# KiCad board SevenSegment.kicad_pcb (continued)
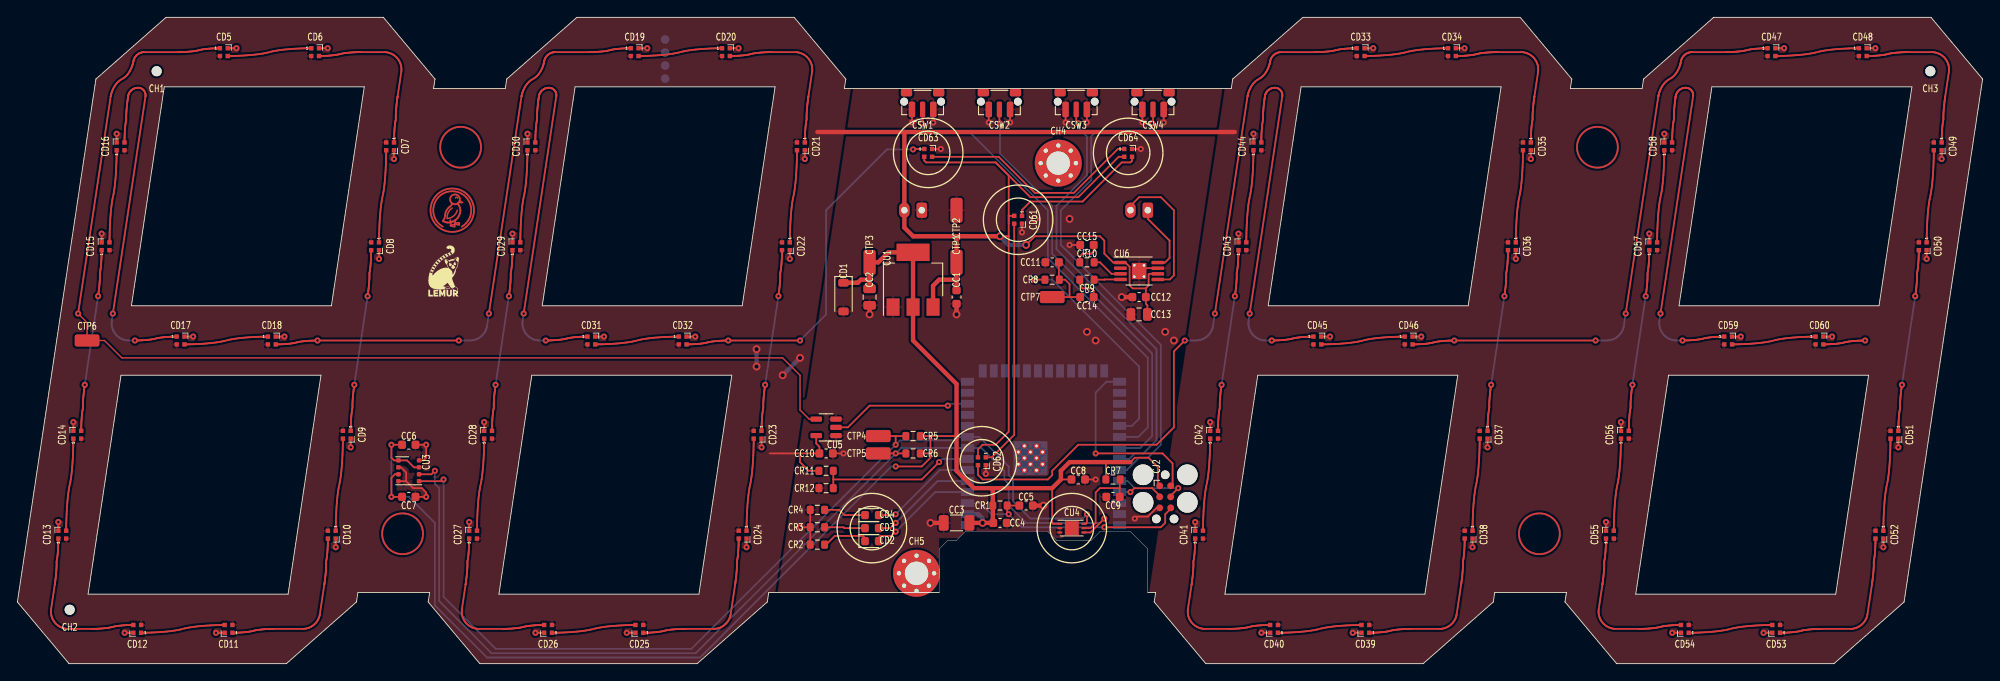
[diagram p0: board, top side]
## Routing (per net, layer and track width the routed paths; a pad name or vN(x,y) marks a point on that pad's centre or on a via; arc(x,y) is an arc through that point) (continued)
digit[2].led[5].dout: length 19.5
  Top w0.2: 166.46,14.27 166.46,14.15 166.46,14.08 166.46,14 166.45,13.91 166.45,13.82 166.45,13.73 166.45,13.63 166.44,13.52 166.44,13.41 166.43,13.19 166.42,13.07 166.41,12.95 166.39,12.72 166.38,12.6 166.37,12.49 166.36,12.37 166.34,12.26 166.33,12.15 166.31,12.04 166.3,11.94 166.28,11.84 166.26,11.75 166.26,11.66 166.26,11.56 166.26,11.45 166.26,11.34 166.26,11.23 166.25,11.12 166.25,11.01 166.24,10.89 166.24,10.77 166.22,10.54 166.21,10.42 166.2,10.3 166.19,10.19 166.17,10.08 166.16,9.97 166.15,9.87 166.14,9.77 166.13,9.67 166.12,9.58 166.11,9.5 166.09,9.42 166.09,9.35 166.08,9.29 166.07,9.23 166.06,9.19 166.06,9.15 166.05,9.12 166.05,9.1 165.54,5.7 165.52,5.61 165.5,5.51 165.48,5.42 165.45,5.33 165.41,5.24 165.37,5.15 165.33,5.07 165.28,4.98 165.24,4.9 165.18,4.83 165.13,4.75 165.07,4.68 165,4.61 164.94,4.55 164.87,4.48 164.8,4.42 164.72,4.37 164.64,4.32 164.56,4.27 164.48,4.22 164.4,4.18 164.31,4.15 164.22,4.11 164.13,4.08 164.04,4.06 163.95,4.04 163.86,4.02 163.76,4.01 163.66,4 163.56,4 160.24,4 160.21,4 160.16,4 160.06,4 159.99,4 159.92,3.99 159.84,3.99 159.76,3.99 159.68,3.99 159.58,3.98 159.49,3.98 159.39,3.97 159.29,3.97 159.19,3.96 158.98,3.94 158.76,3.92 158.66,3.91 158.55,3.9 158.45,3.88 158.35,3.87 158.25,3.85 158.15,3.84 158.06,3.82 157.97,3.8 157.8,3.75 157.71,3.73 157.62,3.71 157.52,3.7 157.42,3.68 157.32,3.66 157.22,3.65 157.11,3.64 157.01,3.63 156.9,3.62 156.79,3.61 156.58,3.59 156.48,3.58 156.38,3.58 156.28,3.57 156.19,3.57 156.09,3.56 156.01,3.56 155.93,3.56 155.85,3.56 155.78,3.55 155.66,3.55 155.61,3.55
digit[2].led[6].dout: length 9.5
  Top w0.2: 154.5,4.45 154.43,4.45 154.34,4.45 154.24,4.45 154.13,4.44 154,4.44 153.86,4.44 153.7,4.43 153.54,4.43 153.37,4.42 153.18,4.41 152.99,4.4 152.8,4.39 152.59,4.38 152.39,4.37 152.18,4.35 151.97,4.34 151.75,4.32 151.54,4.3 151.33,4.27 151.12,4.25 150.91,4.22 150.71,4.19 150.51,4.16 150.32,4.12 150.13,4.08 149.95,4.04 149.62,3.96 149.44,3.92 149.25,3.88 149.06,3.84 148.86,3.81 148.66,3.78 148.45,3.75 148.24,3.73 148.03,3.7 147.81,3.68 147.6,3.66 147.39,3.65 147.18,3.63 146.97,3.62 146.77,3.61 146.58,3.6 146.39,3.59 146.2,3.58 146.03,3.57 145.87,3.57 145.71,3.56 145.57,3.56 145.44,3.56 145.33,3.55 145.23,3.55 145.14,3.55 145.07,3.55
digit[2].led[7].dout: length 18.9
  Top w0.2: 135.46,14.27 135.46,14.15 135.46,14.08 135.46,14 135.46,13.91 135.45,13.82 135.45,13.73 135.45,13.63 135.44,13.52 135.44,13.41 135.43,13.19 135.42,13.07 135.41,12.95 135.39,12.72 135.38,12.6 135.37,12.49 135.36,12.37 135.34,12.26 135.33,12.15 135.31,12.04 135.3,11.94 135.28,11.84 135.26,11.75 135.26,11.66 135.26,11.56 135.26,11.45 135.26,11.34 135.26,11.23 135.25,11.12 135.25,11.01 135.24,10.89 135.24,10.77 135.22,10.54 135.21,10.42 135.2,10.3 135.19,10.19 135.17,10.08 135.16,9.97 135.15,9.87 135.14,9.77 135.13,9.67 135.12,9.58 135.1,9.5 135.09,9.42 135.09,9.35 135.08,9.29 135.07,9.23 135.06,9.19 135.06,9.15 135.05,9.1 134.63,6.3 134.62,6.18 134.61,6.06 134.61,5.94 134.62,5.82 134.63,5.71 134.65,5.59 134.68,5.48 134.71,5.37 134.75,5.27 134.79,5.16 134.84,5.06 134.9,4.97 134.96,4.87 135.02,4.78 135.09,4.69 135.17,4.61 135.25,4.53 135.33,4.46 135.42,4.39 135.51,4.33 135.61,4.27 135.71,4.21 135.81,4.16 135.91,4.12 136.02,4.09 136.14,4.06 136.25,4.03 136.37,4.01 136.49,4 136.61,4 139.33,4 139.36,4 139.41,4 139.51,4 139.58,4 139.65,4.01 139.73,4.01 139.81,4.01 139.9,4.01 139.99,4.02 140.08,4.02 140.18,4.03 140.28,4.03 140.38,4.04 140.59,4.06 140.81,4.08 140.91,4.09 141.02,4.1 141.12,4.11 141.22,4.13 141.32,4.15 141.42,4.16 141.51,4.18 141.6,4.2 141.77,4.25 141.86,4.27 141.95,4.29 142.05,4.3 142.15,4.32 142.25,4.33 142.35,4.35 142.46,4.36 142.56,4.37 142.67,4.38 142.78,4.39 142.99,4.41 143.09,4.42 143.19,4.42 143.29,4.43 143.38,4.43 143.47,4.44 143.56,4.44 143.64,4.44 143.72,4.44 143.79,4.45 143.91,4.45 143.96,4.45
digit[2].led[8].dout: length 10.4
  Top w0.2: 137.19,25.8 137.19,25.73 137.19,25.63 137.18,25.52 137.18,25.39 137.18,25.25 137.18,25.1 137.17,24.93 137.17,24.74 137.16,24.55 137.15,24.35 137.15,24.14 137.14,23.93 137.12,23.7 137.11,23.47 137.1,23.24 137.08,23.01 137.06,22.77 137.05,22.54 137.03,22.3 137,22.07 136.98,21.84 136.95,21.62 136.92,21.4 136.89,21.19 136.85,20.98 136.81,20.79 136.74,20.41 136.7,20.22 136.66,20.01 136.63,19.8 136.6,19.58 136.57,19.36 136.55,19.13 136.53,18.89 136.5,18.66 136.49,18.42 136.47,18.19 136.45,17.96 136.44,17.72 136.43,17.5 136.41,17.27 136.4,17.06 136.4,16.85 136.39,16.65 136.38,16.45 136.38,16.27 136.37,16.1 136.37,15.95 136.37,15.8 136.37,15.68 136.36,15.57 136.36,15.47 136.36,15.4
digit[2].led[9].dout: length 20.7
  Top w0.2: v2(138.5,32.1) 138.49,32.05 138.49,32.01 138.48,31.97 138.47,31.91 138.47,31.85 138.46,31.78 138.44,31.7 138.44,31.62 138.42,31.53 138.41,31.43 138.4,31.33 138.39,31.23 138.38,31.12 138.37,31.01 138.35,30.89 138.34,30.78 138.33,30.66 138.31,30.43 138.31,30.31 138.3,30.19 138.3,30.08 138.29,29.97 138.29,29.85 138.29,29.75 138.29,29.64 138.29,29.54 138.29,29.45 138.27,29.36 138.25,29.26 138.24,29.16 138.22,29.05 138.21,28.94 138.19,28.83 138.18,28.71 138.17,28.6 138.16,28.48 138.14,28.24 138.13,28.13 138.12,28.01 138.11,27.79 138.11,27.68 138.1,27.57 138.1,27.47 138.1,27.38 138.09,27.29 138.09,27.2 138.09,27.12 138.09,26.99 138.09,26.93 ; v2(140.03,42.3) 140.04,42.35 140.04,42.39 140.05,42.43 140.06,42.49 140.06,42.55 140.07,42.62 140.09,42.7 140.09,42.78 140.11,42.87 140.12,42.97 140.13,43.07 140.14,43.17 140.15,43.28 140.16,43.39 140.18,43.5 140.19,43.62 140.2,43.74 140.22,43.97 140.22,44.09 140.23,44.21 140.24,44.32 140.24,44.43 140.24,44.54 140.24,44.65 140.24,44.76 140.24,44.85 140.24,44.95 140.26,45.04 140.28,45.14 140.29,45.24 140.31,45.35 140.32,45.46 140.34,45.57 140.35,45.69 140.36,45.8 140.37,45.92 140.39,46.16 140.4,46.27 140.41,46.39 140.42,46.61 140.42,46.72 140.43,46.83 140.43,46.93 140.43,47.02 140.44,47.11 140.44,47.2 140.44,47.28 140.44,47.41 140.44,47.47
  Bottom w0.2: v2(138.5,32.1) v2(140.03,42.3)
digit[2].led[10].dout: length 10.4
  Top w0.2: 141.34,48.6 141.34,48.67 141.34,48.77 141.35,48.88 141.35,49 141.35,49.15 141.35,49.3 141.36,49.47 141.36,49.66 141.37,49.85 141.38,50.05 141.38,50.26 141.39,50.47 141.41,50.7 141.42,50.92 141.43,51.16 141.45,51.39 141.47,51.62 141.48,51.86 141.5,52.09 141.53,52.33 141.55,52.56 141.58,52.78 141.61,53 141.64,53.21 141.68,53.42 141.72,53.61 141.8,53.99 141.83,54.18 141.87,54.39 141.9,54.6 141.93,54.82 141.96,55.04 141.98,55.27 142,55.5 142.03,55.74 142.05,55.97 142.06,56.21 142.08,56.44 142.09,56.67 142.1,56.9 142.12,57.13 142.13,57.34 142.13,57.55 142.14,57.75 142.15,57.94 142.15,58.13 142.16,58.3 142.16,58.45 142.16,58.59 142.16,58.72 142.17,58.83 142.17,58.93 142.17,59
digit[2].led[11].dout: length 43.3
  Top w0.2: v2(144.26,37.2) 144.31,37.2 144.34,37.2 144.39,37.2 144.49,37.2 144.56,37.2 144.63,37.21 144.71,37.21 144.79,37.21 144.88,37.21 144.97,37.22 145.06,37.22 145.16,37.23 145.26,37.23 145.36,37.24 145.57,37.26 145.68,37.27 145.79,37.28 145.89,37.29 146,37.3 146.1,37.31 146.2,37.33 146.3,37.35 146.4,37.36 146.49,37.38 146.58,37.4 146.75,37.45 146.84,37.47 146.93,37.49 147.03,37.5 147.13,37.52 147.23,37.53 147.33,37.55 147.44,37.56 147.54,37.57 147.76,37.59 147.97,37.61 148.07,37.62 148.17,37.62 148.27,37.63 148.36,37.63 148.45,37.64 148.54,37.64 148.62,37.64 148.7,37.64 148.77,37.65 148.89,37.65 148.94,37.65 ; 143.07,60.13 143.07,60.25 143.07,60.32 143.07,60.4 143.07,60.49 143.08,60.58 143.08,60.67 143.08,60.77 143.09,60.88 143.09,60.99 143.1,61.21 143.11,61.33 143.12,61.44 143.14,61.68 143.15,61.8 143.16,61.91 143.17,62.03 143.19,62.14 143.2,62.25 143.22,62.36 143.24,62.46 143.25,62.56 143.27,62.65 143.27,62.74 143.27,62.84 143.27,62.95 143.27,63.05 143.27,63.17 143.28,63.28 143.28,63.39 143.29,63.51 143.3,63.63 143.31,63.86 143.32,63.98 143.33,64.09 143.34,64.21 143.36,64.32 143.37,64.43 143.38,64.53 143.39,64.63 143.4,64.73 143.41,64.82 143.43,64.9 143.44,64.98 143.44,65.05 143.45,65.11 143.46,65.17 143.47,65.21 143.47,65.25 143.48,65.3 143.49,65.37 143.5,65.42 143.52,65.48 143.54,65.53 143.56,65.58 143.58,65.63 143.6,65.68 143.63,65.73 143.66,65.77 143.69,65.82 143.72,65.86 143.76,65.91 143.79,65.94 143.83,65.98 143.87,66.02 143.91,66.05 143.96,66.08 144,66.12 144.05,66.14 144.1,66.17 144.15,66.19 144.19,66.21 144.25,66.23 144.3,66.25 144.35,66.27 144.41,66.28 144.46,66.29 144.52,66.29 144.57,66.3 144.63,66.3 144.68,66.3 144.73,66.29 144.78,66.29 144.83,66.28 144.88,66.26 144.93,66.25 144.97,66.23 145.02,66.21 145.06,66.19 145.1,66.16 145.14,66.13 145.18,66.1 145.22,66.07 145.25,66.04 145.28,66 145.31,65.96 145.34,65.92 145.37,65.88 145.39,65.84 145.41,65.8 145.43,65.75 145.45,65.71 145.46,65.66 145.47,65.61 145.48,65.56 145.49,65.52 145.49,65.46 145.49,65.41 145.49,65.36 145.48,65.31 145.48,65.3 v2(141.73,40.3)
  Bottom w0.2: v2(141.73,40.3) 141.61,39.5 141.59,39.38 141.59,39.26 141.59,39.14 141.59,39.02 141.61,38.91 141.63,38.79 141.66,38.68 141.69,38.57 141.73,38.47 141.77,38.36 141.82,38.26 141.88,38.17 141.94,38.07 142,37.98 142.07,37.89 142.15,37.81 142.23,37.73 142.31,37.66 142.4,37.59 142.49,37.53 142.59,37.47 142.69,37.41 142.79,37.36 142.9,37.32 143,37.29 143.12,37.26 143.23,37.23 143.35,37.21 143.47,37.2 143.59,37.2 v2(144.26,37.2)
digit[2].led[12].dout: length 9.5
  Top w0.2: 150.06,36.75 150.12,36.75 150.21,36.75 150.31,36.75 150.42,36.76 150.55,36.76 150.69,36.76 150.85,36.77 151.01,36.77 151.19,36.78 151.37,36.79 151.56,36.8 151.75,36.81 151.95,36.82 152.16,36.83 152.37,36.85 152.58,36.86 152.8,36.88 153.01,36.9 153.22,36.93 153.43,36.95 153.64,36.98 153.84,37.01 154.04,37.04 154.23,37.08 154.42,37.12 154.6,37.16 154.93,37.24 155.11,37.28 155.3,37.32 155.49,37.36 155.69,37.39 155.89,37.42 156.1,37.45 156.31,37.47 156.52,37.5 156.74,37.52 156.95,37.54 157.16,37.55 157.37,37.57 157.57,37.58 157.78,37.59 157.97,37.6 158.16,37.61 158.34,37.62 158.52,37.63 158.68,37.63 158.84,37.64 158.98,37.64 159.11,37.64 159.22,37.65 159.32,37.65 159.41,37.65 159.47,37.65
digit[3].dout: length 4.7
  Top w0.2: 207.84,36.75 207.94,36.75 208.01,36.75 208.08,36.76 208.16,36.76 208.24,36.76 208.32,36.76 208.42,36.77 208.51,36.77 208.61,36.78 208.71,36.78 208.81,36.79 209.02,36.81 209.24,36.83 209.34,36.84 209.45,36.85 209.55,36.86 209.65,36.88 209.75,36.9 209.85,36.91 209.94,36.93 210.03,36.95 210.2,37 210.29,37.02 210.38,37.04 210.48,37.05 210.58,37.07 210.68,37.08 210.78,37.1 210.89,37.11 210.99,37.12 211.1,37.13 211.21,37.14 211.42,37.16 211.52,37.17 211.62,37.17 211.72,37.18 211.81,37.18 211.91,37.19 211.99,37.19 212.07,37.19 212.15,37.19 212.22,37.2 212.34,37.2 212.39,37.2 212.44,37.2 212.47,37.2 v2(212.51,37.2)
digit[3].led[0].dout: length 9.5
  Top w0.2: 202.28,69.95 202.35,69.95 202.44,69.95 202.54,69.95 202.65,69.96 202.78,69.96 202.92,69.96 203.08,69.97 203.24,69.97 203.42,69.98 203.6,69.99 203.79,70 203.98,70.01 204.19,70.02 204.39,70.03 204.6,70.05 204.81,70.06 205.03,70.08 205.24,70.1 205.45,70.13 205.66,70.15 205.87,70.18 206.07,70.21 206.27,70.24 206.46,70.28 206.65,70.32 206.83,70.36 207.16,70.44 207.34,70.48 207.53,70.52 207.72,70.56 207.92,70.59 208.12,70.62 208.33,70.65 208.54,70.67 208.75,70.7 208.97,70.72 209.18,70.74 209.39,70.75 209.6,70.77 209.81,70.78 210.01,70.79 210.2,70.8 210.39,70.81 210.57,70.82 210.75,70.83 210.91,70.83 211.07,70.84 211.21,70.84 211.34,70.84 211.45,70.85 211.55,70.85 211.64,70.85 211.7,70.85
digit[3].led[1].dout: length 18.9
  Top w0.2: 212.82,69.95 212.92,69.95 212.99,69.95 213.06,69.96 213.14,69.96 213.22,69.96 213.31,69.96 213.4,69.97 213.49,69.97 213.59,69.98 213.69,69.98 213.79,69.99 214,70.01 214.11,70.02 214.22,70.03 214.32,70.04 214.43,70.05 214.53,70.06 214.63,70.08 214.73,70.1 214.83,70.11 214.92,70.13 215.01,70.15 215.18,70.2 215.27,70.22 215.36,70.24 215.46,70.25 215.56,70.27 215.66,70.28 215.76,70.3 215.87,70.31 215.97,70.32 216.19,70.34 216.4,70.36 216.5,70.37 216.6,70.37 216.7,70.38 216.79,70.38 216.88,70.39 216.97,70.39 217.05,70.39 217.13,70.39 217.2,70.4 217.32,70.4 217.37,70.4 217.42,70.4 217.45,70.4 220.17,70.4 220.29,70.4 220.41,70.39 220.53,70.37 220.64,70.34 220.76,70.31 220.87,70.28 220.97,70.23 221.07,70.19 221.17,70.13 221.27,70.07 221.36,70.01 221.45,69.94 221.53,69.87 221.61,69.79 221.69,69.7 221.76,69.62 221.82,69.53 221.88,69.43 221.94,69.34 221.99,69.24 222.03,69.13 222.07,69.03 222.11,68.92 222.13,68.81 222.15,68.69 222.17,68.58 222.17,68.46 222.17,68.34 222.17,68.22 222.15,68.1 221.73,65.3 221.72,65.25 221.72,65.21 221.71,65.17 221.7,65.11 221.69,65.05 221.69,64.98 221.68,64.9 221.67,64.82 221.65,64.73 221.64,64.63 221.63,64.53 221.62,64.43 221.61,64.32 221.59,64.21 221.58,64.09 221.57,63.98 221.56,63.86 221.55,63.63 221.54,63.51 221.53,63.39 221.53,63.28 221.52,63.17 221.52,63.05 221.52,62.95 221.52,62.84 221.52,62.74 221.52,62.65 221.5,62.56 221.49,62.46 221.47,62.36 221.45,62.25 221.44,62.14 221.42,62.03 221.41,61.91 221.4,61.8 221.39,61.68 221.37,61.44 221.36,61.33 221.36,61.21 221.34,60.99 221.34,60.88 221.33,60.77 221.33,60.67 221.33,60.58 221.32,60.49 221.32,60.4 221.32,60.32 221.32,60.19 221.32,60.13
digit[3].led[2].dout: length 10.4
  Top w0.2: 220.42,59 220.42,58.93 220.42,58.83 220.41,58.72 220.41,58.59 220.41,58.45 220.41,58.3 220.4,58.13 220.4,57.94 220.39,57.75 220.38,57.55 220.38,57.34 220.37,57.13 220.36,56.9 220.34,56.67 220.33,56.44 220.31,56.21 220.3,55.97 220.28,55.74 220.25,55.5 220.23,55.27 220.21,55.04 220.18,54.82 220.15,54.6 220.12,54.39 220.08,54.18 220.05,53.99 219.97,53.61 219.93,53.42 219.89,53.21 219.86,53 219.83,52.78 219.8,52.56 219.78,52.33 219.75,52.09 219.73,51.86 219.72,51.62 219.7,51.39 219.68,51.16 219.67,50.92 219.66,50.7 219.64,50.47 219.63,50.26 219.63,50.05 219.62,49.85 219.61,49.66 219.61,49.47 219.6,49.3 219.6,49.15 219.6,49 219.6,48.88 219.59,48.77 219.59,48.67 219.59,48.6
digit[3].led[3].dout: length 20.7
  Top w0.2: v2(216.75,32.1) 216.74,32.05 216.74,32.01 216.73,31.97 216.72,31.91 216.72,31.85 216.7,31.78 216.69,31.7 216.69,31.62 216.67,31.53 216.66,31.43 216.65,31.33 216.64,31.23 216.63,31.12 216.62,31.01 216.6,30.89 216.59,30.78 216.58,30.66 216.56,30.43 216.56,30.31 216.55,30.19 216.55,30.08 216.54,29.97 216.54,29.85 216.54,29.75 216.54,29.64 216.54,29.54 216.54,29.45 216.52,29.36 216.5,29.26 216.49,29.16 216.47,29.05 216.46,28.94 216.44,28.83 216.43,28.71 216.42,28.6 216.41,28.48 216.39,28.24 216.38,28.13 216.38,28.01 216.36,27.79 216.36,27.68 216.35,27.57 216.35,27.47 216.35,27.38 216.34,27.29 216.34,27.2 216.34,27.12 216.34,26.99 216.34,26.93 ; v2(218.28,42.3) 218.29,42.35 218.29,42.39 218.3,42.43 218.31,42.49 218.31,42.55 218.32,42.62 218.33,42.7 218.34,42.78 218.36,42.87 218.37,42.97 218.38,43.07 218.39,43.17 218.4,43.28 218.42,43.39 218.43,43.5 218.44,43.62 218.45,43.74 218.47,43.97 218.47,44.09 218.48,44.21 218.49,44.32 218.49,44.43 218.49,44.54 218.49,44.65 218.49,44.76 218.49,44.85 218.49,44.95 218.51,45.04 218.53,45.14 218.54,45.24 218.56,45.35 218.57,45.46 218.59,45.57 218.6,45.69 218.61,45.8 218.62,45.92 218.64,46.16 218.65,46.27 218.66,46.39 218.67,46.61 218.67,46.72 218.68,46.83 218.68,46.93 218.68,47.02 218.69,47.11 218.69,47.2 218.69,47.28 218.69,47.41 218.69,47.47
  Bottom w0.2: v2(218.28,42.3) v2(216.75,32.1)
digit[3].led[4].dout: length 10.4
  Top w0.2: 214.61,15.4 214.61,15.47 214.61,15.57 214.62,15.68 214.62,15.8 214.62,15.95 214.62,16.1 214.63,16.27 214.63,16.45 214.64,16.65 214.65,16.85 214.65,17.06 214.66,17.27 214.68,17.5 214.69,17.72 214.7,17.96 214.72,18.19 214.74,18.42 214.75,18.66 214.78,18.89 214.8,19.13 214.82,19.36 214.85,19.58 214.88,19.8 214.91,20.01 214.95,20.22 214.99,20.41 215.06,20.79 215.1,20.98 215.14,21.19 215.17,21.4 215.2,21.62 215.23,21.84 215.25,22.07 215.28,22.3 215.3,22.54 215.31,22.77 215.33,23.01 215.35,23.24 215.36,23.47 215.38,23.7 215.39,23.93 215.4,24.14 215.4,24.35 215.41,24.55 215.42,24.74 215.42,24.93 215.43,25.1 215.43,25.25 215.43,25.39 215.43,25.52 215.44,25.63 215.44,25.73 215.44,25.8
digit[3].led[5].dout: length 19.5
  Top w0.2: 213.71,14.27 213.71,14.15 213.71,14.08 213.71,14 213.7,13.91 213.7,13.82 213.7,13.73 213.7,13.63 213.69,13.52 213.69,13.41 213.68,13.19 213.67,13.07 213.66,12.95 213.64,12.72 213.63,12.6 213.62,12.49 213.61,12.37 213.59,12.26 213.58,12.15 213.56,12.04 213.55,11.94 213.53,11.84 213.51,11.75 213.51,11.66 213.51,11.56 213.51,11.45 213.51,11.34 213.51,11.23 213.5,11.12 213.5,11.01 213.49,10.89 213.49,10.77 213.47,10.54 213.46,10.42 213.45,10.3 213.44,10.19 213.42,10.08 213.41,9.97 213.4,9.87 213.39,9.77 213.38,9.67 213.37,9.58 213.36,9.5 213.34,9.42 213.33,9.35 213.33,9.29 213.32,9.23 213.31,9.19 213.31,9.15 213.3,9.12 213.3,9.1 212.79,5.7 212.77,5.61 212.75,5.51 212.73,5.42 212.7,5.33 212.66,5.24 212.62,5.15 212.58,5.07 212.53,4.98 212.49,4.9 212.43,4.83 212.38,4.75 212.32,4.68 212.25,4.61 212.19,4.55 212.12,4.48 212.05,4.42 211.97,4.37 211.89,4.32 211.81,4.27 211.73,4.22 211.65,4.18 211.56,4.15 211.47,4.11 211.38,4.08 211.29,4.06 211.2,4.04 211.11,4.02 211.01,4.01 210.91,4 210.81,4 207.49,4 207.46,4 207.41,4 207.31,4 207.24,4 207.17,3.99 207.09,3.99 207.01,3.99 206.93,3.99 206.83,3.98 206.74,3.98 206.64,3.97 206.54,3.97 206.44,3.96 206.23,3.94 206.12,3.93 206.01,3.92 205.91,3.91 205.8,3.9 205.7,3.88 205.6,3.87 205.5,3.85 205.4,3.84 205.31,3.82 205.22,3.8 205.05,3.75 204.96,3.73 204.87,3.71 204.77,3.7 204.67,3.68 204.57,3.66 204.47,3.65 204.36,3.64 204.26,3.63 204.04,3.61 203.83,3.59 203.73,3.58 203.63,3.58 203.53,3.57 203.44,3.57 203.34,3.56 203.26,3.56 203.18,3.56 203.1,3.56 203.03,3.55 202.91,3.55 202.86,3.55
digit[3].led[6].dout: length 9.5
  Top w0.2: 201.75,4.45 201.68,4.45 201.59,4.45 201.49,4.45 201.38,4.44 201.25,4.44 201.11,4.44 200.95,4.43 200.79,4.43 200.62,4.42 200.43,4.41 200.24,4.4 200.05,4.39 199.84,4.38 199.64,4.37 199.43,4.35 199.22,4.34 199,4.32 198.79,4.3 198.58,4.27 198.37,4.25 198.16,4.22 197.96,4.19 197.76,4.16 197.57,4.12 197.38,4.08 197.2,4.04 196.87,3.96 196.69,3.92 196.5,3.88 196.31,3.84 196.11,3.81 195.91,3.78 195.7,3.75 195.49,3.73 195.28,3.7 195.06,3.68 194.85,3.66 194.64,3.65 194.43,3.63 194.22,3.62 194.02,3.61 193.83,3.6 193.64,3.59 193.45,3.58 193.28,3.57 193.12,3.57 192.96,3.56 192.82,3.56 192.69,3.56 192.58,3.55 192.48,3.55 192.39,3.55 192.32,3.55
digit[3].led[7].dout: length 18.9
  Top w0.2: 191.21,4.45 191.11,4.45 191.04,4.45 190.97,4.44 190.89,4.44 190.81,4.44 190.72,4.44 190.63,4.43 190.54,4.43 190.44,4.42 190.34,4.42 190.24,4.41 190.03,4.39 189.92,4.38 189.81,4.37 189.71,4.36 189.6,4.35 189.5,4.33 189.4,4.32 189.3,4.3 189.2,4.29 189.11,4.27 189.02,4.25 188.85,4.2 188.76,4.18 188.67,4.16 188.57,4.15 188.47,4.13 188.37,4.11 188.27,4.1 188.16,4.09 188.06,4.08 187.84,4.06 187.63,4.04 187.53,4.03 187.43,4.03 187.33,4.02 187.24,4.02 187.14,4.01 187.06,4.01 186.98,4.01 186.9,4.01 186.83,4 186.71,4 186.66,4 186.61,4 186.58,4 183.86,4 183.74,4 183.62,4.01 183.5,4.03 183.39,4.06 183.27,4.09 183.17,4.12 183.06,4.16 182.96,4.21 182.86,4.27 182.76,4.33 182.67,4.39 182.58,4.46 182.5,4.53 182.42,4.61 182.34,4.69 182.27,4.78 182.21,4.87 182.14,4.97 182.09,5.06 182.04,5.16 182,5.27 181.96,5.37 181.93,5.48 181.9,5.59 181.88,5.71 181.87,5.82 181.86,5.94 181.86,6.06 181.87,6.18 181.88,6.3 182.3,9.1 182.31,9.15 182.31,9.19 182.32,9.23 182.33,9.29 182.33,9.35 182.34,9.42 182.36,9.5 182.37,9.58 182.38,9.67 182.39,9.77 182.4,9.87 182.41,9.97 182.42,10.08 182.44,10.19 182.45,10.3 182.46,10.42 182.47,10.54 182.49,10.77 182.49,10.89 182.5,11.01 182.5,11.12 182.51,11.23 182.51,11.34 182.51,11.45 182.51,11.56 182.51,11.66 182.51,11.75 182.53,11.84 182.55,11.94 182.56,12.04 182.58,12.15 182.59,12.26 182.61,12.37 182.62,12.49 182.63,12.6 182.64,12.72 182.66,12.95 182.67,13.07 182.68,13.19 182.69,13.41 182.69,13.52 182.7,13.63 182.7,13.73 182.7,13.82 182.7,13.91 182.71,14 182.71,14.08 182.71,14.21 182.71,14.27
digit[3].led[8].dout: length 10.4
  Top w0.2: 184.44,25.8 184.44,25.73 184.44,25.63 184.43,25.52 184.43,25.39 184.43,25.25 184.43,25.1 184.42,24.93 184.42,24.74 184.41,24.55 184.4,24.35 184.4,24.14 184.39,23.93 184.38,23.7 184.36,23.47 184.35,23.24 184.33,23.01 184.31,22.77 184.3,22.54 184.28,22.3 184.25,22.07 184.23,21.84 184.2,21.62 184.17,21.4 184.14,21.19 184.1,20.98 184.06,20.79 183.99,20.41 183.95,20.22 183.91,20.01 183.88,19.8 183.85,19.58 183.82,19.36 183.8,19.13 183.78,18.89 183.75,18.66 183.74,18.42 183.72,18.19 183.7,17.96 183.69,17.72 183.68,17.5 183.66,17.27 183.65,17.06 183.65,16.85 183.64,16.65 183.63,16.45 183.63,16.27 183.62,16.1 183.62,15.95 183.62,15.8 183.62,15.68 183.61,15.57 183.61,15.47 183.61,15.4
digit[3].led[9].dout: length 20.7
  Top w0.2: 185.34,26.93 185.34,27.05 185.34,27.12 185.34,27.2 185.34,27.29 185.35,27.38 185.35,27.47 185.35,27.57 185.36,27.68 185.36,27.79 185.38,28.01 185.38,28.13 185.39,28.24 185.41,28.48 185.42,28.6 185.43,28.71 185.44,28.83 185.46,28.94 185.47,29.05 185.49,29.16 185.5,29.26 185.52,29.36 185.54,29.45 185.54,29.54 185.54,29.64 185.54,29.75 185.54,29.85 185.54,29.97 185.55,30.08 185.55,30.19 185.56,30.31 185.56,30.43 185.58,30.66 185.59,30.78 185.6,30.89 185.62,31.01 185.63,31.12 185.64,31.23 185.65,31.33 185.66,31.43 185.67,31.53 185.69,31.62 185.69,31.7 185.7,31.78 185.72,31.85 185.72,31.91 185.73,31.97 185.74,32.01 185.74,32.05 185.75,32.08 v2(185.75,32.1) ; 187.69,47.47 187.69,47.35 187.69,47.28 187.69,47.2 187.69,47.11 187.68,47.02 187.68,46.93 187.68,46.83 187.67,46.72 187.67,46.61 187.66,46.39 187.65,46.27 187.64,46.16 187.62,45.92 187.61,45.8 187.6,45.69 187.59,45.57 187.57,45.46 187.56,45.35 187.54,45.24 187.53,45.14 187.51,45.04 187.49,44.95 187.49,44.85 187.49,44.76 187.49,44.65 187.49,44.54 187.49,44.43 187.49,44.32 187.48,44.21 187.47,44.09 187.47,43.97 187.45,43.74 187.44,43.62 187.43,43.5 187.42,43.39 187.4,43.28 187.39,43.17 187.38,43.07 187.37,42.97 187.36,42.87 187.34,42.78 187.33,42.7 187.32,42.62 187.31,42.55 187.31,42.49 187.3,42.43 187.29,42.39 187.29,42.35 187.28,42.32 v2(187.28,42.3)
  Bottom w0.2: v2(185.75,32.1) v2(187.28,42.3)
digit[3].led[10].dout: length 10.4
  Top w0.2: 188.59,48.6 188.59,48.67 188.59,48.77 188.6,48.88 188.6,49 188.6,49.15 188.6,49.3 188.61,49.47 188.61,49.66 188.62,49.85 188.63,50.05 188.63,50.26 188.64,50.47 188.66,50.7 188.67,50.92 188.68,51.16 188.7,51.39 188.72,51.62 188.73,51.86 188.75,52.09 188.78,52.33 188.8,52.56 188.83,52.78 188.86,53 188.89,53.21 188.93,53.42 188.97,53.61 189.05,53.99 189.08,54.18 189.12,54.39 189.15,54.6 189.18,54.82 189.21,55.04 189.23,55.27 189.25,55.5 189.28,55.74 189.3,55.97 189.31,56.21 189.33,56.44 189.34,56.67 189.36,56.9 189.37,57.13 189.38,57.34 189.38,57.55 189.39,57.75 189.4,57.94 189.4,58.13 189.41,58.3 189.41,58.45 189.41,58.59 189.41,58.72 189.42,58.83 189.42,58.93 189.42,59
digit[3].led[11].dout: length 43.3
  Top w0.2: v2(191.51,37.2) 191.56,37.2 191.59,37.2 191.64,37.2 191.74,37.2 191.81,37.2 191.88,37.21 191.96,37.21 192.04,37.21 192.12,37.21 192.22,37.22 192.31,37.22 192.41,37.23 192.51,37.23 192.61,37.24 192.82,37.26 192.93,37.27 193.04,37.28 193.14,37.29 193.25,37.3 193.35,37.31 193.45,37.33 193.55,37.35 193.65,37.36 193.74,37.38 193.83,37.4 194,37.45 194.09,37.47 194.18,37.49 194.28,37.5 194.38,37.52 194.48,37.53 194.58,37.55 194.69,37.56 194.79,37.57 195.01,37.59 195.22,37.61 195.32,37.62 195.42,37.62 195.52,37.63 195.61,37.63 195.7,37.64 195.79,37.64 195.87,37.64 195.95,37.64 196.02,37.65 196.14,37.65 196.19,37.65 ; 190.32,60.13 190.32,60.25 190.32,60.32 190.32,60.4 190.32,60.49 190.33,60.58 190.33,60.67 190.33,60.77 190.34,60.88 190.34,60.99 190.36,61.21 190.36,61.33 190.37,61.44 190.39,61.68 190.4,61.8 190.41,61.91 190.42,62.03 190.44,62.14 190.45,62.25 190.47,62.36 190.49,62.46 190.5,62.56 190.52,62.65 190.52,62.74 190.52,62.84 190.52,62.95 190.52,63.05 190.52,63.17 190.53,63.28 190.53,63.39 190.54,63.51 190.55,63.63 190.56,63.86 190.57,63.98 190.58,64.09 190.59,64.21 190.61,64.32 190.62,64.43 190.63,64.53 190.64,64.63 190.65,64.73 190.67,64.82 190.68,64.9 190.69,64.98 190.69,65.05 190.7,65.11 190.71,65.17 190.72,65.21 190.72,65.25 190.73,65.28 190.73,65.3 190.74,65.37 190.75,65.42 190.77,65.48 190.79,65.53 190.81,65.58 190.83,65.63 190.85,65.68 190.88,65.73 190.91,65.77 190.94,65.82 190.97,65.86 191.01,65.91 191.04,65.94 191.08,65.98 191.12,66.02 191.16,66.05 191.21,66.08 191.25,66.12 191.3,66.14 191.35,66.17 191.39,66.19 191.44,66.21 191.5,66.23 191.55,66.25 191.6,66.27 191.66,66.28 191.71,66.29 191.77,66.29 191.82,66.3 191.88,66.3 191.93,66.3 191.98,66.29 192.03,66.29 192.08,66.28 192.13,66.26 192.18,66.25 192.22,66.23 192.27,66.21 192.31,66.19 192.35,66.16 192.39,66.13 192.43,66.1 192.47,66.07 192.5,66.04 192.53,66 192.56,65.96 192.59,65.92 192.62,65.88 192.64,65.84 192.66,65.8 192.68,65.75 192.7,65.71 192.71,65.66 192.72,65.61 192.73,65.56 192.74,65.52 192.74,65.46 192.74,65.41 192.74,65.36 192.73,65.31 192.73,65.3 v2(188.98,40.3)
  Bottom w0.2: v2(188.98,40.3) 188.86,39.5 188.84,39.38 188.84,39.26 188.84,39.14 188.84,39.02 188.86,38.91 188.88,38.79 188.91,38.68 188.94,38.57 188.98,38.47 189.02,38.36 189.07,38.26 189.12,38.17 189.19,38.07 189.25,37.98 189.32,37.89 189.4,37.81 189.48,37.73 189.56,37.66 189.65,37.59 189.74,37.53 189.84,37.47 189.94,37.41 190.04,37.36 190.14,37.32 190.25,37.29 190.37,37.26 190.48,37.23 190.6,37.21 190.72,37.2 190.84,37.2 v2(191.51,37.2)
